# KiCad board Wirebonder.kicad_pcb (continued)
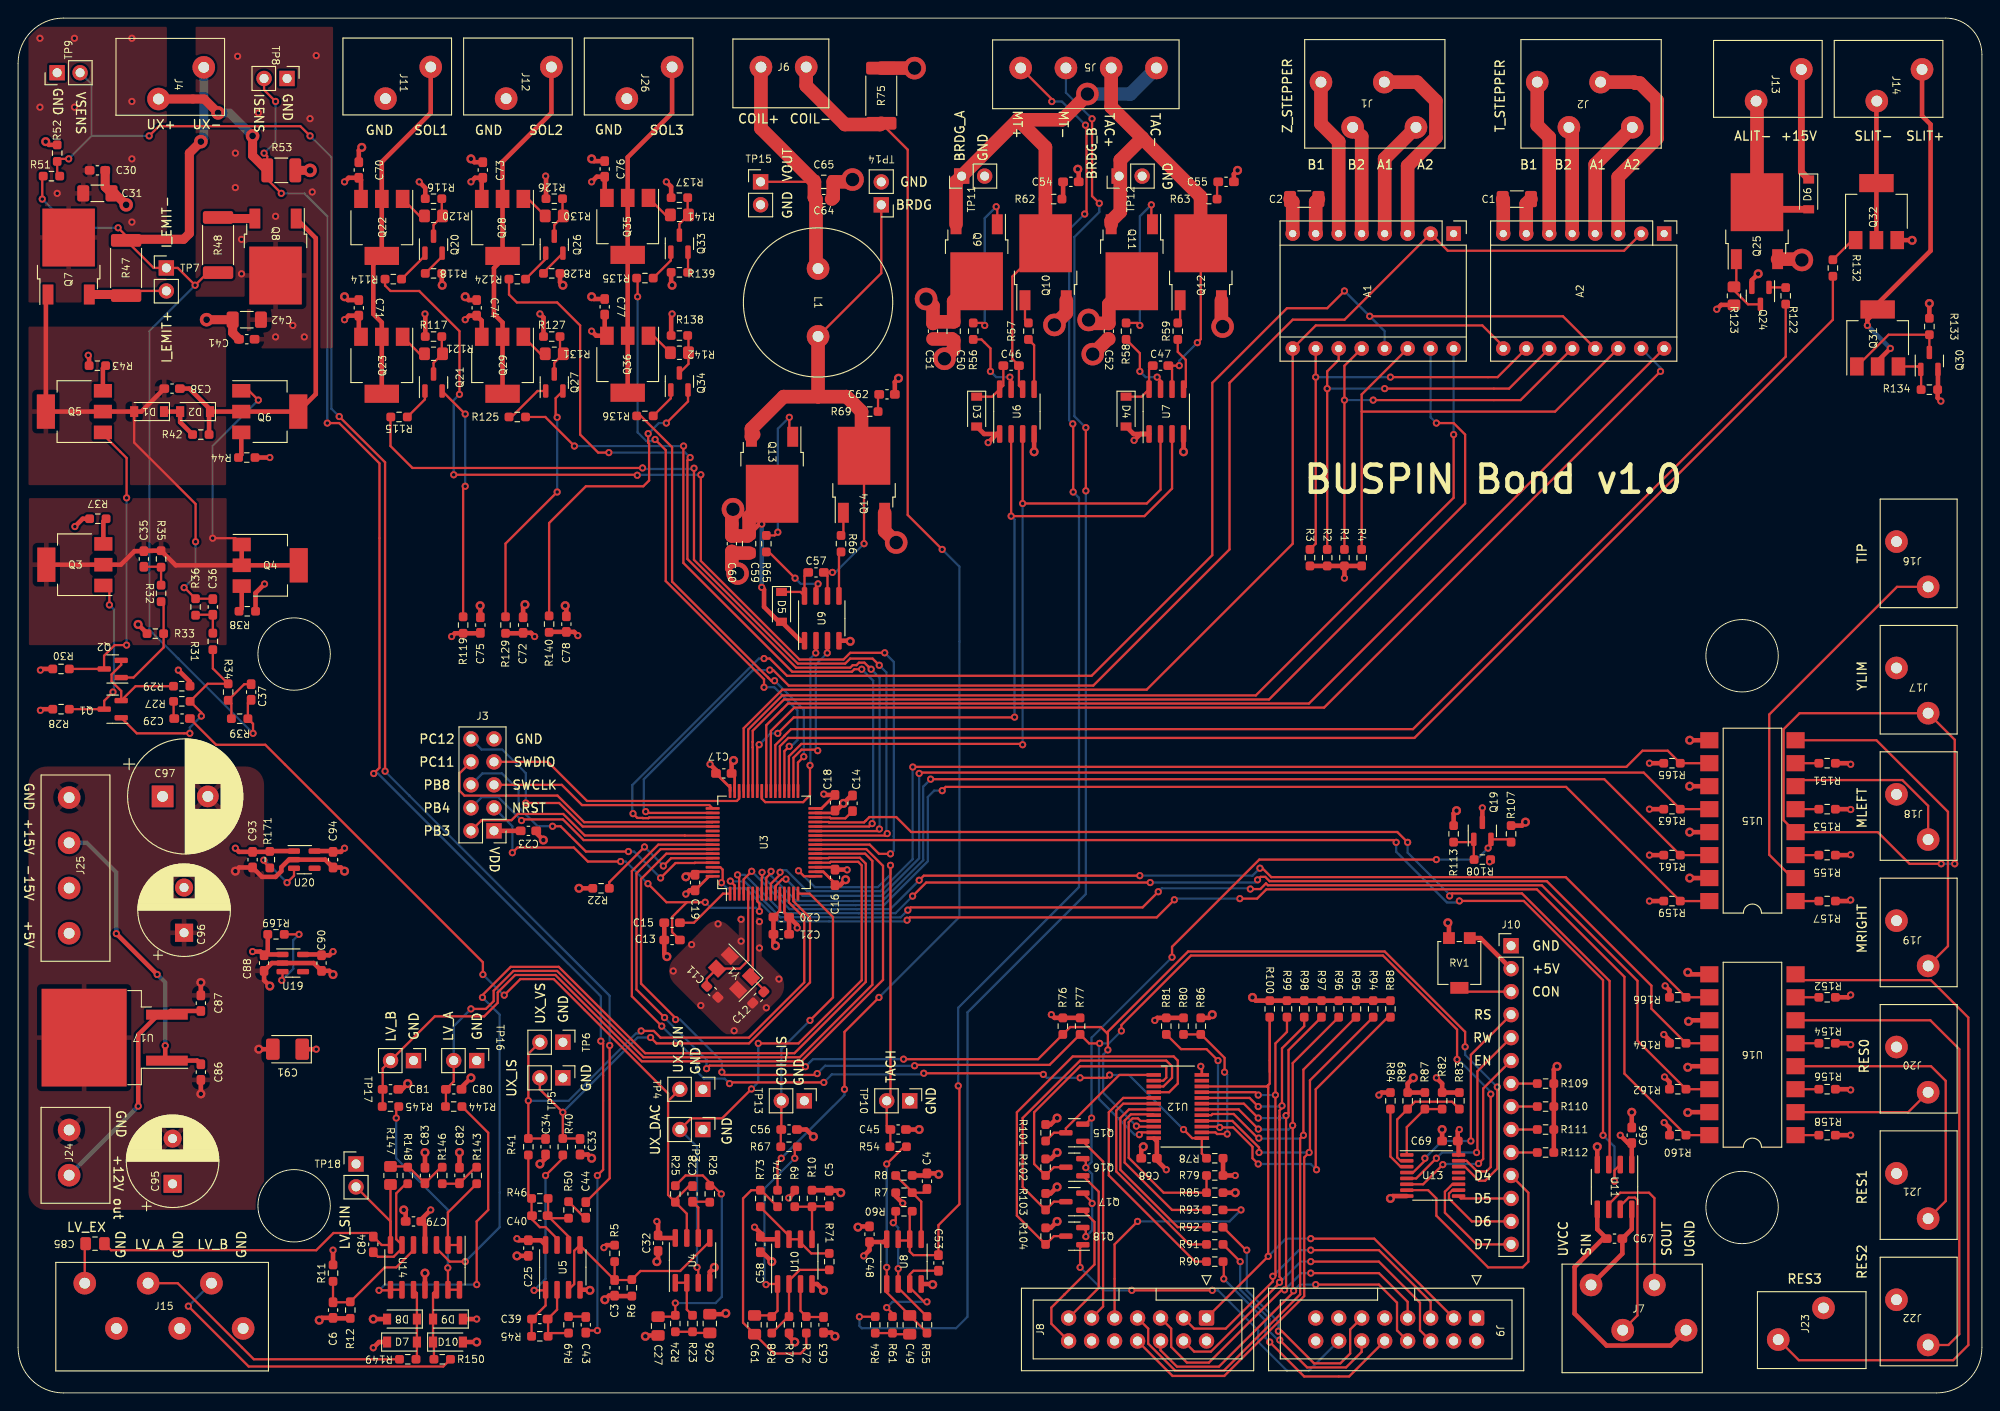
[diagram p0: board, top side]
## Routing (per net, layer and track width the routed paths; a pad name or vN(x,y) marks a point on that pad's centre or on a via; arc(x,y) is an arc through that point) (continued)
Net-(Q27-Pad2): length 27.7
  Top w0.25: R129.2 53.86,93.9 v1(59.56,99.61) ; Q27.2 59.4,109.97 59.4,108.03 v1(59.56,107.86)
  Bottom w0.25: v1(59.56,107.86) v1(59.56,99.61)
Net-(Q27-Pad3): length 4.7
  Top w0.25: R127.2 59.88,115.25 R131.1 59.25,113.88 Q27.3
Net-(Q28-Pad1): length 3.2
  Top w0.25: Q28.1 56.37,132 R130.2
Net-(Q29-Pad1): length 3.2
  Top w0.25: Q29.1 57.71,114.88 R131.2
Net-(Q30-Pad1): length 4.9
  Top w0.25: Q31.3 209.92,113.48 Q30.1 210.28,113.12 R134.1
Net-(Q30-Pad3): length 11.4
  Top w0.25: Q30.3 R133.2 206.69,116.99 Q31.1
Net-(Q32-Pad1): length 3.4
  Top w0.25: Q32.1 202.71,127.45 R132.1
Net-(Q33-Pad1): length 3.7
  Top w0.25: Q33.1 72.12,125.2 R135.1
Net-(Q33-Pad2): length 2.3
  Top w0.25: Q33.2 74.03,123.93 R139.2
Net-(Q33-Pad3): length 4.6
  Top w0.25: R137.1 73.99,130.33 R141.1 73.08,129.24 Q33.3
Net-(Q34-Pad1): length 3.7
  Top w0.25: Q34.1 72.12,109.96 R136.1
Net-(Q34-Pad2): length 35.6
  Top w0.25: Q34.2 74.03,109.62 v1(71.63,107.22) ; v1(69.62,106.05) 69.62,105.04 69.72,104.94 69.72,100.88 69.09,100.24 62.74,100.24 58.68,96.18 R140.2
  Bottom w0.25: v1(71.63,107.22) 70.79,107.22 v1(69.62,106.05)
Net-(Q34-Pad3): length 4.6
  Top w0.25: R138.2 74.08,116.82 R142.1 74.08,113.76 Q34.3
Net-(Q35-Pad1): length 3.2
  Top w0.25: Q35.1 71.54,130.24 R141.2
Net-(Q36-Pad1): length 3.2
  Top w0.25: R142.2 70.19,116.88 Q36.1
Net-(R22-Pad1): length 15
  Top w0.25: v1(71.29,58.26) 72.16,59.12 U3.60 ; v1(69.22,60.36) 65.33,56.47 R22.1
  Bottom w0.25: v1(71.29,58.26) 71.29,58.28 v1(69.22,60.36)
Net-(R23-Pad1): length 5.1
  Top w0.25: U4.1 U4.2 73.89,9.22 R23.1
Net-(R55-Pad1): length 13.4
  Top w0.25: v1(97.25,13.73) 97.25,11.89 ; U8.2 97.25,11.62 R55.1 ; v1(96.71,18.81) 96.97,19.08 R60.2
  Bottom w0.25: v1(97.25,13.73) 97.25,18.27 v1(96.71,18.81)
Net-(R56-Pad1): length 8.7
  Top w0.25: v1(109.59,112.31) 109.73,112.17 U6.7 ; v1(107.44,112.94) 107.44,115.48 106.45,116.47 R56.1
  Bottom w0.25: v1(109.59,112.31) 108.08,112.31 v1(107.44,112.94)
Net-(R57-Pad1): length 5.8
  Top w0.25: R57.1 112.27,115.84 U6.5
Net-(R58-Pad1): length 7.8
  Top w0.25: v1(125.86,112.31) 126.24,111.92 U7.7 ; v1(123.96,112.94) 123.95,112.94 123.95,114.95 R58.1
  Bottom w0.25: v1(125.86,112.31) 124.59,112.31 v1(123.96,112.94)
Net-(R59-Pad1): length 6
  Top w0.25: U7.5 129.03,111.22 129.03,114.21 128.15,115.1 R59.1
Net-(R65-Pad2): length 8.6
  Top w0.25: R65.2 82.96,92.98 v1(85.86,90.08) ; v1(88.39,89.44) 88.17,89.22 U9.7
  Bottom w0.25: v1(85.86,90.08) 86.49,89.44 v1(88.39,89.44)
Net-(R66-Pad2): length 5
  Top w0.25: R66.2 90.71,92.75 U9.5
Net-(R68-Pad1): length 11.6
  Top w0.25: R71.2 86.37,13.6 85.19,12.42 U10.2 R70.1 85.11,8.44 R68.1
Net-(R71-Pad1): length 10.2
  Top w0.25: R73.1 82.01,20.54 85.19,17.37 U10.7 U10.6 86.46,16.61 87.64,15.43 R71.1
Net-(R79-Pad1): length 19.1
  Top w0.25: U12.21 124.03,30.07 123.75,30.35 123.15,30.35 122.72,29.93 122.72,26 126.58,22.13 R85.1 R79.1
Net-(R80-Pad1): length 17
  Top w0.25: U12.2 132.31,28.8 132.48,28.62 v1(133.6,28.62) ; v1(133.31,35.47) 133.31,37.04 130.72,39.64 R86.1 R80.1
  Bottom w0.25: v1(133.6,28.62) 133.6,35.18 v1(133.31,35.47)
Net-(R81-Pad1): length 50.3
  Top w0.25: v1(137.03,25.31) 136.4,25.94 136.4,27.22 134.27,29.35 v1(132.78,29.35) 132.7,29.44 U12.3 ; v1(132.59,36.74) 131.32,38.01 128.5,38.01 R81.1 ; R88.1 151.36,41.54 143.38,33.56 143.38,24.76 v1(143.47,24.68)
  Bottom w0.25: v1(132.59,36.74) 132.59,29.75 132.78,29.56 v1(132.78,29.35) ; v1(137.03,25.31) 142.84,25.31 v1(143.47,24.68)
Net-(R82-Pad1): length 7.8
  Top w0.25: R82.1 R87.1 153.45,29.38 U13.1
Net-(R83-Pad1): length 13.4
  Top w0.25: R83.1 158.45,32.19 154.36,32.19 R89.1 152.39,30.22 152.39,26.04 152.76,25.66 U13.2
Net-(R84-Pad2): length 7.5
  Top w0.25: U13.3 152.76,25.01 151.64,26.14 R84.2
Net-(R90-Pad1): length 27.3
  Top w0.25: U12.17 122.11,32.61 120.53,31.03 120.53,24.04 130.05,14.51 R90.1
Net-(R91-Pad1): length 24.5
  Top w0.25: U12.18 122.11,31.98 121.35,31.21 121.35,24.49 129.41,16.42 R91.1
Net-(R92-Pad1): length 22
  Top w0.25: R92.1 128.15,18.32 121.79,24.68 121.79,30.39 122.75,31.34 U12.19
Net-(R93-Pad1): length 19.4
  Top w0.25: R93.1 127.51,20.23 122.27,25.47 122.27,30.11 122.96,30.8 125.4,30.8 U12.20
Net-(R143-Pad1): length 9.4
  Top w0.25: U14.1 U14.2 47.5,19.95 R143.1
Net-(R144-Pad1): length 35
  Top w0.25: U14.9 U14.8 41.08,11.34 v1(39.88,11.34) ; R144.1 51.94,28.76 51.94,20.23 50.67,18.96 v1(50.67,11.97)
  Bottom w0.25: v1(39.88,11.34) 40.52,11.97 v1(50.67,11.97)
Net-(R145-Pad1): length 24
  Top w0.25: U14.14 U14.13 47.5,13.8 v1(47.48,13.82) ; v1(41.78,30.39) 41.78,31.38 R145.1
  Bottom w0.25: v1(41.78,30.39) 41.78,25.94 47.48,20.25 v1(47.48,13.82)
Net-(R151-Pad2): length 2.6
  Top w0.25: U15.7 R151.2
Net-(R152-Pad2): length 2.6
  Top w0.25: U16.7 R152.2
Net-(R153-Pad2): length 2.6
  Top w0.25: R153.2 U15.5
Net-(R154-Pad2): length 2.8
  Top w0.25: U16.5 199.16,38.66
Net-(R155-Pad2): length 2.6
  Top w0.25: U15.3 R155.2
Net-(R156-Pad2): length 2.6
  Top w0.25: U16.3 R156.2
Net-(R157-Pad2): length 2.6
  Top w0.25: R157.2 U15.1
Net-(R158-Pad2): length 2.6
  Top w0.25: U16.1 R158.2
Net-(R169-Pad1): length 8.5
  Top w0.25: v1(29.14,45.62) 29.22,45.7 U19.3 ; v1(31.04,50.7) R169.1
  Bottom w0.25: v1(29.14,45.62) 30.41,46.89 30.41,50.06 v1(31.04,50.7)
Net-(R171-Pad1): length 6.6
  Top w0.25: v1(29.72,56.42) 30.49,57.18 U20.3 ; v1(27.15,58.9) 27.15,58.71 R171.1
  Bottom w0.25: v1(29.72,56.42) 27.24,58.9 v1(27.15,58.9)

## Copper pours and planes (outline as drawn; the poured copper is in the pictures)
+5V on In2.Cu: 20.88,57.05 20.83,78.02 45.59,100.88 74.81,100.88 74.81,83.98 99.57,83.98 99.57,100.88 128.78,100.75 128.78,114.97 215.78,114.84 215.78,2 192.28,2 192.33,93.88 171.32,93.88 171.32,45 156.09,45 156.09,99.61 135,99.61 135,75.47 65.97,75.47 65.97,90.7 43.74,90.7 43.74,81.18 27.18,64.67 27.18,20.23 1.15,20.23 1.2,57.05
+15V on Top: 16.44,151.04 16.44,120.56 1.15,120.56 1.15,151.04
+15V on In2.Cu: 215.78,151.04 215.78,118.66 124.59,118.78 124.59,104.05 96.52,104.05 96.52,87.41 77.98,87.41 77.98,104.05 44.96,104.05 18.34,79.28 18.34,59.59 1.2,59.59 1.15,151.04
-15V on Top: 34.8,151.04 34.8,115.48 25.27,115.48 25.27,121.19 19.61,121.19 19.61,151.04
-15V on Bottom: 215.78,151.04 215.78,79.67 101.47,79.54 44.33,79.67 27.18,62.78 27.23,53.88 1.2,53.88 1.15,151.04
GND on Top: 27.18,69.25 27.18,20.23 1.15,20.23 1.15,69.25
GND on Top: 77.22,52.87 79.63,50.58 79.63,53 82.17,53 82.17,48.3 85.47,45 79.12,38.64 71.12,46.65
GND on In1.Cu: 215.82,0.53 1.2,0.53 1.2,151.03 215.82,151.03
VDD on In2.Cu: 63.12,87.67 63.12,72.94 139.07,72.94 139.07,95.16 152.91,95.16 152.91,41.82 174.5,41.82 174.5,90.07 187.25,90.07 187.84,22.13 110.37,22.13 110.37,55.16 89.41,55.16 89.41,55.79 88.52,56.81 78.87,56.81 76.12,53.24 32.26,53.24 32.26,64.67 46.92,79.28 46.92,87.53
VDDA on In2.Cu: 85.02,50.06 84.97,53.25 86.87,53.25 105.97,53.24 105.92,0.54 32.26,0.54 32.31,50.06
Net-(C35-Pad2) on Top: 23.04,98.93 23.04,82.68 1.2,82.68 1.2,98.93
Net-(C36-Pad2) on Top: 22.99,117.89 22.99,100.37 1.15,100.37 1.15,117.89

## Text on the board
F.Silkscreen: LV_EX | LV_A | UX+ | UX- | LV_B | GND | SOL1 | PC12 | PC11 | PB8 | PB4 | PB3 | NRST | SWDIO | SWCLK | SOL2 | SOL3 | COIL+ | COIL- | BRDG | B1 | B2 | A1 | A2 | RS | RW | EN | D4 | D5 | D6 | D7 | +5V | CON | ALIT- | +15V | RES3 | SLIT- | SLIT+ | I_EMIT- | I_EMIT+ | LV_SIN | UX_IS | UX_VS | UX_DAC | UX_SIN | COIL_IS | VOUT | TACH | BRDG_A | BRDG_B | Z_STEPPER | T_STEPPER | UVCC | SIN | SOUT | UGND | TIP | YLIM | MLEFT | MRIGHT | RES1 | RES2 | RES0 | -15V | VSENS | +12V out | ISENS | VDD | MT+ | MT- | TAC+ | TAC- | BUSPIN Bond v1.0
